# KiCad board USB Cable Tester.kicad_pcb (continued)
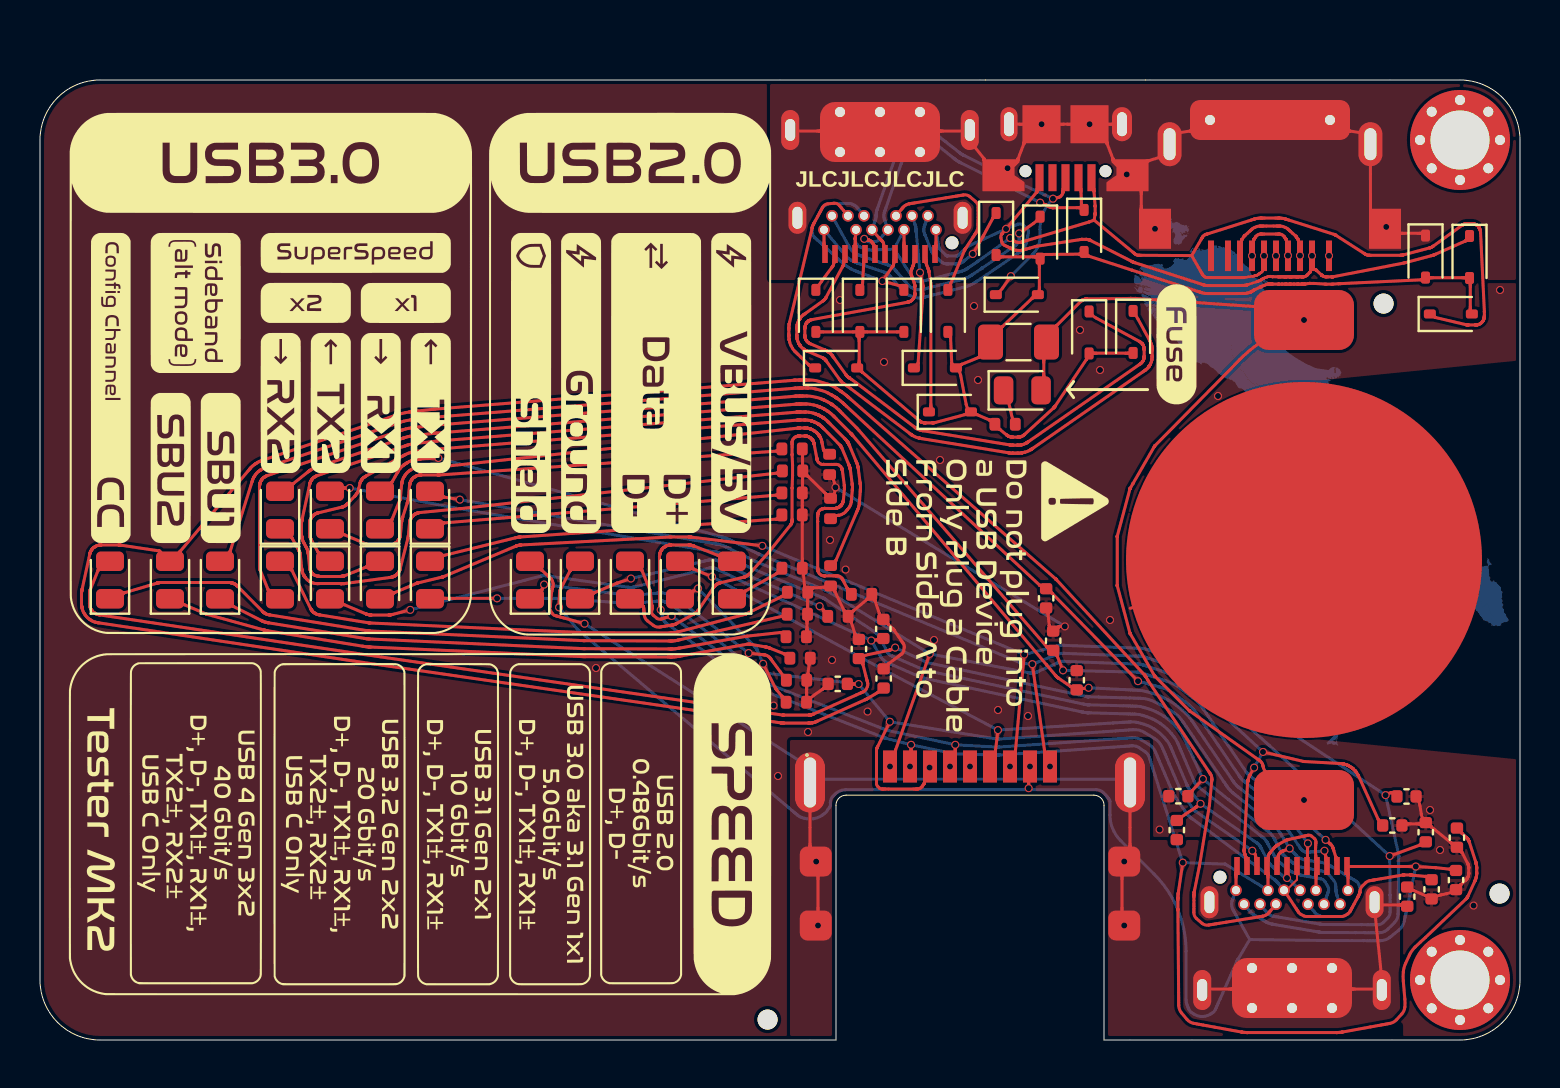
[diagram p0: board, top side]
## Routing (per net, layer and track width the routed paths; a pad name or vN(x,y) marks a point on that pad's centre or on a via; arc(x,y) is an arc through that point) (continued)
Net-(D49-Pad1): length 25.4
  Top w0.15: R34.1 36.93,29.46 arc(36.9,29.45) 36.86,29.44 36.83,29.44 arc(36.82,29.44) 36.82,29.44 arc(36.82,29.44) 36.82,29.44 19.99,28.25 arc(19.98,28.25) 19.97,28.25 arc(19.96,28.25) 19.95,28.25 19.93,28.25 arc(19.92,28.25) 19.91,28.25 19.91,28.25 arc(19.9,28.25) 19.9,28.25 19.89,28.25 arc(19.89,28.25) 19.88,28.25 arc(19.88,28.25) 19.88,28.25 19.04,28.25 arc(19.03,28.25) 19.02,28.25 19,28.25 arc(19,28.25) 18.99,28.25 18.87,28.22 arc(18.86,28.22) 18.84,28.21 18.81,28.2 arc(18.8,28.19) 18.78,28.19 18.68,28.12 arc(18.66,28.11) 18.65,28.1 18.63,28.07 arc(18.62,28.06) 18.61,28.05 18.54,27.94 arc(18.53,27.93) 18.52,27.91 18.51,27.88 arc(18.51,27.87) 18.5,27.85 18.48,27.74 arc(18.48,27.74) 18.48,27.73 18.48,27.72 arc(18.48,27.72) 18.48,27.71 arc(18.48,27.71) 18.48,27.71 18.42,27.14 arc(18.42,27.13) 18.42,27.12 arc(18.42,27.11) 18.42,27.1 18.42,27.08 arc(18.42,27.07) 18.41,27.06 arc(18.41,27.05) 18.41,27.04 18.4,26.97 arc(18.39,26.96) 18.39,26.95 arc(18.39,26.94) 18.39,26.93 18.38,26.91 arc(18.38,26.9) 18.38,26.89 18.36,26.84 18.12,26.11 arc(18.12,26.1) 18.12,26.09 18.11,26.07 arc(18.11,26.06) 18.11,26.05 arc(18.11,26.04) 18.1,26.03 18.09,25.96 arc(18.09,25.95) 18.09,25.94 arc(18.08,25.93) 18.08,25.92 18.08,25.9 arc(18.08,25.89) 18.08,25.88 arc(18.08,25.87) 18.08,25.86 18.02,25.29 arc(18.02,25.29) 18.02,25.29 arc(18.02,25.28) 18.02,25.28 18.02,25.27 arc(18.02,25.26) 18.02,25.26 18,25.15 arc(17.99,25.13) 17.99,25.12 17.98,25.09 arc(17.97,25.07) 17.96,25.06 17.89,24.95 arc(17.88,24.94) 17.87,24.93 17.85,24.9 arc(17.84,24.89) 17.82,24.88 17.72,24.81 arc(17.7,24.81) 17.69,24.8 17.66,24.79 arc(17.64,24.78) 17.63,24.78 17.57,24.77 arc(17.57,24.76) 17.56,24.76 arc(17.56,24.76) 17.56,24.76 17.52,24.76 arc(17.51,24.76) 17.51,24.75 arc(17.5,24.75) 17.49,24.75 17.48,24.75 arc(17.47,24.75) 17.46,24.75 16.54,24.75 arc(16.53,24.75) 16.52,24.75 16.51,24.75 arc(16.5,24.75) 16.49,24.75 arc(16.49,24.76) 16.48,24.76 16.44,24.76 arc(16.44,24.76) 16.44,24.76 arc(16.43,24.76) 16.43,24.77 16.39,24.77 arc(16.39,24.77) 16.38,24.78 arc(16.37,24.78) 16.36,24.78 16.35,24.78 arc(16.34,24.79) 16.33,24.79 16.29,24.81 15.2,25.27 arc(15.2,25.27) 15.2,25.27 15.19,25.27 arc(15.19,25.27) 15.19,25.27 D49.1
Net-(D50-Pad1): length 35.2
  Top w0.15: D50.1 13.91,24.38 arc(13.91,24.38) 13.91,24.38 arc(13.91,24.38) 13.91,24.38 arc(13.91,24.38) 13.91,24.39 13.53,25.08 arc(13.52,25.09) 13.52,25.1 13.51,25.13 arc(13.5,25.14) 13.5,25.15 13.48,25.26 arc(13.48,25.27) 13.48,25.28 13.47,25.29 arc(13.47,25.3) 13.47,25.31 13.47,25.81 arc(13.47,25.82) 13.47,25.83 13.48,25.85 arc(13.48,25.85) 13.48,25.86 13.5,25.98 arc(13.51,25.99) 13.51,26.01 13.52,26.04 arc(13.53,26.05) 13.54,26.07 13.61,26.17 arc(13.62,26.19) 13.63,26.2 13.65,26.22 arc(13.66,26.23) 13.68,26.24 13.76,26.29 arc(13.77,26.3) 13.78,26.31 arc(13.79,26.32) 13.81,26.32 13.83,26.34 arc(13.85,26.34) 13.86,26.34 13.93,26.36 15.14,26.66 arc(15.15,26.66) 15.17,26.66 15.19,26.68 arc(15.21,26.68) 15.22,26.69 arc(15.23,26.7) 15.24,26.71 15.32,26.76 arc(15.32,26.76) 15.33,26.77 15.35,26.78 arc(15.35,26.78) 15.36,26.79 15.72,27.18 arc(15.73,27.18) 15.74,27.19 arc(15.74,27.2) 15.75,27.2 15.76,27.22 arc(15.76,27.22) 15.77,27.23 arc(15.77,27.24) 15.78,27.24 15.86,27.34 arc(15.87,27.36) 15.88,27.39 15.9,27.43 arc(15.91,27.46) 15.92,27.48 16,27.83 arc(16,27.84) 16,27.86 arc(16.01,27.87) 16.01,27.89 16.02,27.92 arc(16.03,27.93) 16.04,27.94 16.11,28.05 arc(16.12,28.06) 16.13,28.07 16.15,28.1 arc(16.16,28.11) 16.18,28.12 16.27,28.18 arc(16.27,28.18) 16.27,28.18 arc(16.28,28.18) 16.28,28.18 16.28,28.19 arc(16.29,28.19) 16.29,28.19 arc(16.29,28.19) 16.3,28.19 18.28,29.28 arc(18.35,29.31) 18.42,29.34 18.56,29.38 arc(18.63,29.4) 18.7,29.41 19.86,29.55 arc(19.87,29.55) 19.88,29.55 arc(19.88,29.55) 19.89,29.55 37.84,30.99 37.9,31 arc(37.91,31) 37.92,31 37.95,31 arc(37.96,31) 37.97,31 38.29,31 arc(38.33,31) 38.37,30.99 38.45,30.98 arc(38.49,30.97) 38.53,30.96 38.61,30.94 arc(38.63,30.94) 38.64,30.93 38.66,30.92 arc(38.68,30.92) 38.69,30.91 38.69,30.91 arc(38.7,30.91) 38.72,30.9 arc(38.73,30.9) 38.74,30.89 38.75,30.89 arc(38.78,30.88) 38.8,30.86 38.85,30.84 arc(38.87,30.82) 38.9,30.81 38.97,30.76 arc(38.99,30.75) 39.01,30.73 39.06,30.69 arc(39.08,30.67) 39.1,30.65 39.2,30.55 39.99,29.75 arc(39.99,29.75) 40,29.74 arc(40,29.74) 40.01,29.73 40.02,29.72 arc(40.02,29.71) 40.03,29.71 arc(40.03,29.7) 40.04,29.69 40.05,29.68 arc(40.05,29.68) 40.05,29.68 40.06,29.66 arc(40.06,29.66) 40.07,29.65 arc(40.07,29.64) 40.07,29.64 40.08,29.62 arc(40.08,29.62) 40.09,29.61 arc(40.09,29.6) 40.09,29.59 40.47,28.69 arc(40.48,28.68) 40.48,28.66 40.49,28.62 arc(40.5,28.61) 40.5,28.59 40.51,28.56 arc(40.51,28.55) 40.51,28.53 40.52,28.52 arc(40.52,28.5) 40.52,28.47 40.62,27.72 arc(40.62,27.7) 40.62,27.67 40.62,27.63 arc(40.62,27.6) 40.62,27.58 40.56,26.91 arc(40.56,26.85) 40.54,26.8 40.5,26.7 arc(40.47,26.65) 40.44,26.6 40.28,26.41 arc(40.23,26.37) 40.18,26.33 40.07,26.27 arc(40.01,26.25) 39.95,26.23 39.85,26.23 arc(39.84,26.23) 39.84,26.23 arc(39.84,26.22) 39.84,26.22 R35.1
Net-(D51-Pad1): length 27.3
  Top w0.15: R36.1 37.1,22.18 arc(37.1,22.18) 37.1,22.18 37.1,22.18 arc(37.1,22.18) 37.09,22.18 35.28,21.3 arc(35.28,21.29) 35.27,21.29 35.26,21.29 arc(35.25,21.28) 35.24,21.28 arc(35.23,21.28) 35.22,21.28 31.77,20.37 arc(31.74,20.37) 31.72,20.36 31.66,20.35 arc(31.63,20.35) 31.61,20.35 31.47,20.35 27.23,20.36 arc(27.22,20.36) 27.22,20.37 arc(27.21,20.37) 27.2,20.37 16.52,20.85 arc(16.51,20.85) 16.5,20.85 arc(16.49,20.85) 16.48,20.85 16.46,20.85 arc(16.45,20.86) 16.44,20.86 arc(16.43,20.86) 16.42,20.86 14,21.25 arc(13.99,21.25) 13.99,21.25 arc(13.98,21.26) 13.97,21.26 13.87,21.28 arc(13.86,21.28) 13.84,21.29 13.81,21.3 arc(13.8,21.31) 13.78,21.31 13.68,21.38 arc(13.66,21.39) 13.65,21.4 13.63,21.43 arc(13.62,21.44) 13.61,21.45 13.54,21.55 arc(13.54,21.55) 13.54,21.56 13.53,21.57 arc(13.53,21.57) 13.53,21.58 arc(13.53,21.58) 13.52,21.59 12.59,23.49 arc(12.59,23.49) 12.59,23.49 arc(12.59,23.49) 12.59,23.49 arc(12.59,23.49) 12.59,23.49 D51.1
Net-(D52-Pad1): length 29.4
  Top w0.15: R37.1 36.96,28.36 arc(36.92,28.35) 36.89,28.34 36.85,28.34 arc(36.85,28.34) 36.84,28.34 arc(36.84,28.34) 36.84,28.34 21.05,26.57 arc(21.04,26.57) 21.04,26.57 arc(21.03,26.57) 21.03,26.57 19.02,26.37 arc(19.01,26.37) 19.01,26.37 arc(19,26.37) 19,26.37 18.99,26.37 arc(18.99,26.37) 18.98,26.37 arc(18.98,26.37) 18.98,26.37 18.87,26.35 arc(18.86,26.34) 18.84,26.34 18.81,26.33 arc(18.8,26.32) 18.78,26.31 18.68,26.24 arc(18.66,26.23) 18.65,26.22 18.63,26.2 arc(18.62,26.19) 18.61,26.17 18.54,26.07 arc(18.53,26.05) 18.52,26.04 18.51,26.01 arc(18.51,25.99) 18.5,25.98 18.48,25.87 arc(18.48,25.86) 18.48,25.86 18.48,25.85 arc(18.48,25.84) 18.48,25.84 arc(18.48,25.84) 18.48,25.83 18.42,25.26 arc(18.42,25.25) 18.42,25.24 arc(18.42,25.23) 18.42,25.22 18.42,25.21 arc(18.42,25.2) 18.41,25.19 arc(18.41,25.18) 18.41,25.17 18.4,25.1 arc(18.39,25.08) 18.39,25.07 arc(18.38,25.05) 18.38,25.03 17.99,23.51 arc(17.99,23.49) 17.98,23.48 17.97,23.46 arc(17.97,23.44) 17.96,23.43 17.89,23.33 arc(17.88,23.31) 17.87,23.3 17.85,23.28 arc(17.84,23.27) 17.82,23.26 17.72,23.19 arc(17.7,23.18) 17.69,23.17 17.66,23.16 arc(17.64,23.16) 17.63,23.15 17.53,23.13 arc(17.52,23.13) 17.51,23.13 arc(17.5,23.13) 17.49,23.13 15.2,22.82 arc(15.18,22.82) 15.16,22.81 15.11,22.81 arc(15.09,22.81) 15.07,22.82 15.04,22.82 arc(15.03,22.82) 15.03,22.82 15.03,22.82 arc(15.02,22.82) 15.01,22.82 15.01,22.82 arc(15.01,22.82) 15.01,22.82 14.98,22.82 arc(14.97,22.82) 14.97,22.82 arc(14.96,22.83) 14.95,22.83 14.05,22.83 arc(14.04,22.83) 14.04,22.83 arc(14.03,22.82) 14.03,22.82 13.86,22.82 arc(13.81,22.82) 13.76,22.83 13.67,22.85 arc(13.63,22.86) 13.59,22.88 13.47,22.94 arc(13.43,22.96) 13.39,22.99 13.33,23.05 arc(13.29,23.08) 13.27,23.12 13.19,23.23 arc(13.18,23.26) 13.16,23.29 13.13,23.36 arc(13.12,23.39) 13.11,23.42 13.09,23.54 arc(13.09,23.55) 13.09,23.56 arc(13.08,23.57) 13.08,23.58 13.08,23.6 arc(13.08,23.61) 13.08,23.62 13.02,24.21 arc(13.02,24.21) 13.02,24.21 arc(13.02,24.22) 13.02,24.22 13.02,24.23 arc(13.02,24.24) 13.02,24.24 13,24.35 arc(13,24.36) 12.99,24.37 12.98,24.4 arc(12.98,24.41) 12.97,24.42 12.94,24.47 12.59,25.11 arc(12.59,25.12) 12.59,25.12 arc(12.59,25.12) 12.59,25.12 arc(12.59,25.12) 12.59,25.12 D52.1
Net-(J5-DN1): length 3.5
  Top w0.15: v1(60.6,39.21) 60.67,39.86 arc(60.67,39.9) 60.68,39.93 60.68,39.98 arc(60.68,39.98) 60.68,39.99 60.68,40 arc(60.68,40) 60.68,40.01 60.8,40.19 arc(60.83,40.22) 60.86,40.24 60.93,40.28 arc(60.97,40.29) 61.01,40.3 61.99,40.3 arc(62.03,40.29) 62.07,40.28 62.14,40.24 arc(62.17,40.22) 62.2,40.19 62.31,40.01 arc(62.32,40) 62.32,40 62.32,39.99 arc(62.32,39.98) 62.33,39.98 62.33,39.93 arc(62.33,39.9) 62.33,39.86 v1(62.4,39.22) J5.4
Net-(J5-DP1): length 5
  Top w0.15: J5.8 60.07,39.86 arc(60.07,39.9) 60.08,39.93 60.08,39.98 arc(60.08,39.98) 60.08,39.99 60.08,40 arc(60.08,40) 60.08,40.01 60.17,40.14 arc(60.18,40.15) 60.19,40.16 arc(60.19,40.17) 60.2,40.18 60.21,40.19 arc(60.22,40.2) 60.23,40.21 60.62,40.56 arc(60.67,40.6) 60.73,40.63 60.85,40.67 arc(60.92,40.69) 60.98,40.7 62.02,40.7 arc(62.08,40.69) 62.15,40.67 62.27,40.63 arc(62.33,40.6) 62.38,40.56 62.76,40.22 arc(62.77,40.21) 62.77,40.21 arc(62.78,40.2) 62.79,40.19 62.8,40.18 arc(62.81,40.17) 62.82,40.16 62.91,40.01 arc(62.92,40) 62.92,40 62.92,39.99 arc(62.92,39.98) 62.92,39.98 62.92,39.93 arc(62.93,39.9) 62.93,39.86 v1(63,39.22) J5.3
unconnected-(H3-Pad1): length 13.1
  Bottom w0.15: H3.1 72,45 arc(71.29,45.29) 71,46 H3.1 ; H3.1 70.79,47 arc(70.6,46.98) 70.41,46.92 70.05,46.77 arc(69.89,46.68) 69.74,46.56 69.59,46.42 arc(69.59,46.41) 69.58,46.41 69.44,46.26 arc(69.32,46.11) 69.23,45.95 69.08,45.59 arc(69.02,45.4) 69,45.21 69,45.01 arc(69,45) 69,44.99 69,44.79 arc(69.02,44.6) 69.08,44.41 69.23,44.05 arc(69.32,43.89) 69.44,43.74 69.58,43.59 arc(69.59,43.59) 69.59,43.58 69.74,43.44 arc(69.89,43.32) 70.05,43.23 70.41,43.08 arc(70.6,43.02) 70.79,43 70.99,43 arc(71,43) 71.01,43 71.21,43 arc(71.4,43.02) 71.59,43.08 71.95,43.23 arc(72.11,43.32) 72.26,43.44 H3.1 ; H3.1 71.21,47 arc(71.4,46.98) 71.59,46.92 71.95,46.77 arc(72.11,46.68) 72.26,46.56 H3.1
unconnected-(H4-Pad1): length 13
  Bottom w0.15: H4.1 72.26,1.44 arc(72.11,1.32) 71.95,1.23 71.59,1.08 arc(71.4,1.02) 71.21,1 71.01,1 arc(71,1) 70.99,1 70.79,1 arc(70.6,1.02) 70.41,1.08 70.05,1.23 arc(69.89,1.32) 69.74,1.44 69.59,1.58 arc(69.59,1.59) 69.58,1.59 69.44,1.74 arc(69.32,1.89) 69.23,2.05 69.08,2.41 arc(69.02,2.6) 69,2.79 69,2.99 arc(69,3) 69,3.01 69,3.21 arc(69.02,3.4) 69.08,3.59 69.23,3.95 arc(69.32,4.11) 69.44,4.26 69.58,4.41 arc(69.59,4.41) 69.59,4.42 69.74,4.56 arc(69.89,4.68) 70.05,4.77 70.41,4.92 arc(70.6,4.98) 70.79,5 70.99,5 arc(71,5) 71,4.99 71,4 arc(71.29,3.29) 72,3 72.99,3 arc(73,3) 73,3.01 73,3.21 arc(72.98,3.4) 72.92,3.59 72.77,3.95 arc(72.68,4.11) 72.56,4.26 H4.1
unconnected-(J1-DRAIN-Pad7):
  vias: v1(46.5,13.67)
unconnected-(J5-ACC1-Pad5):
  vias: v1(61.8,39.21)
unconnected-(J5-DETECT1-Pad1):
  vias: v1(64.45,39.21)

## Copper pours and planes (outline as drawn; the poured copper is in the pictures)
GND on Top, Bottom: 0,48 0,0 74,0 74,48
/SHLD on Top: 55.5,15 37.5,15 37.5,0 68,0 68,10 55.5,10
Net-(D26-K) on Top: 74,38 74,48 36.5,48 36.5,38

Small or netless copper shapes (teardrops, artwork), in the pictures only: 127 on Bottom, 60 on Top
